# Altium PCB ESP32Oled.PcbDoc
Units mm, origin at the board's own origin, x right, y up, seen from the top; angles counter-clockwise.
Board outline 179.96 x 120.02 mm, 2 copper layers (Top Layer, Bottom Layer); 84 components, 51 nets, 298 pads, 0 vias.
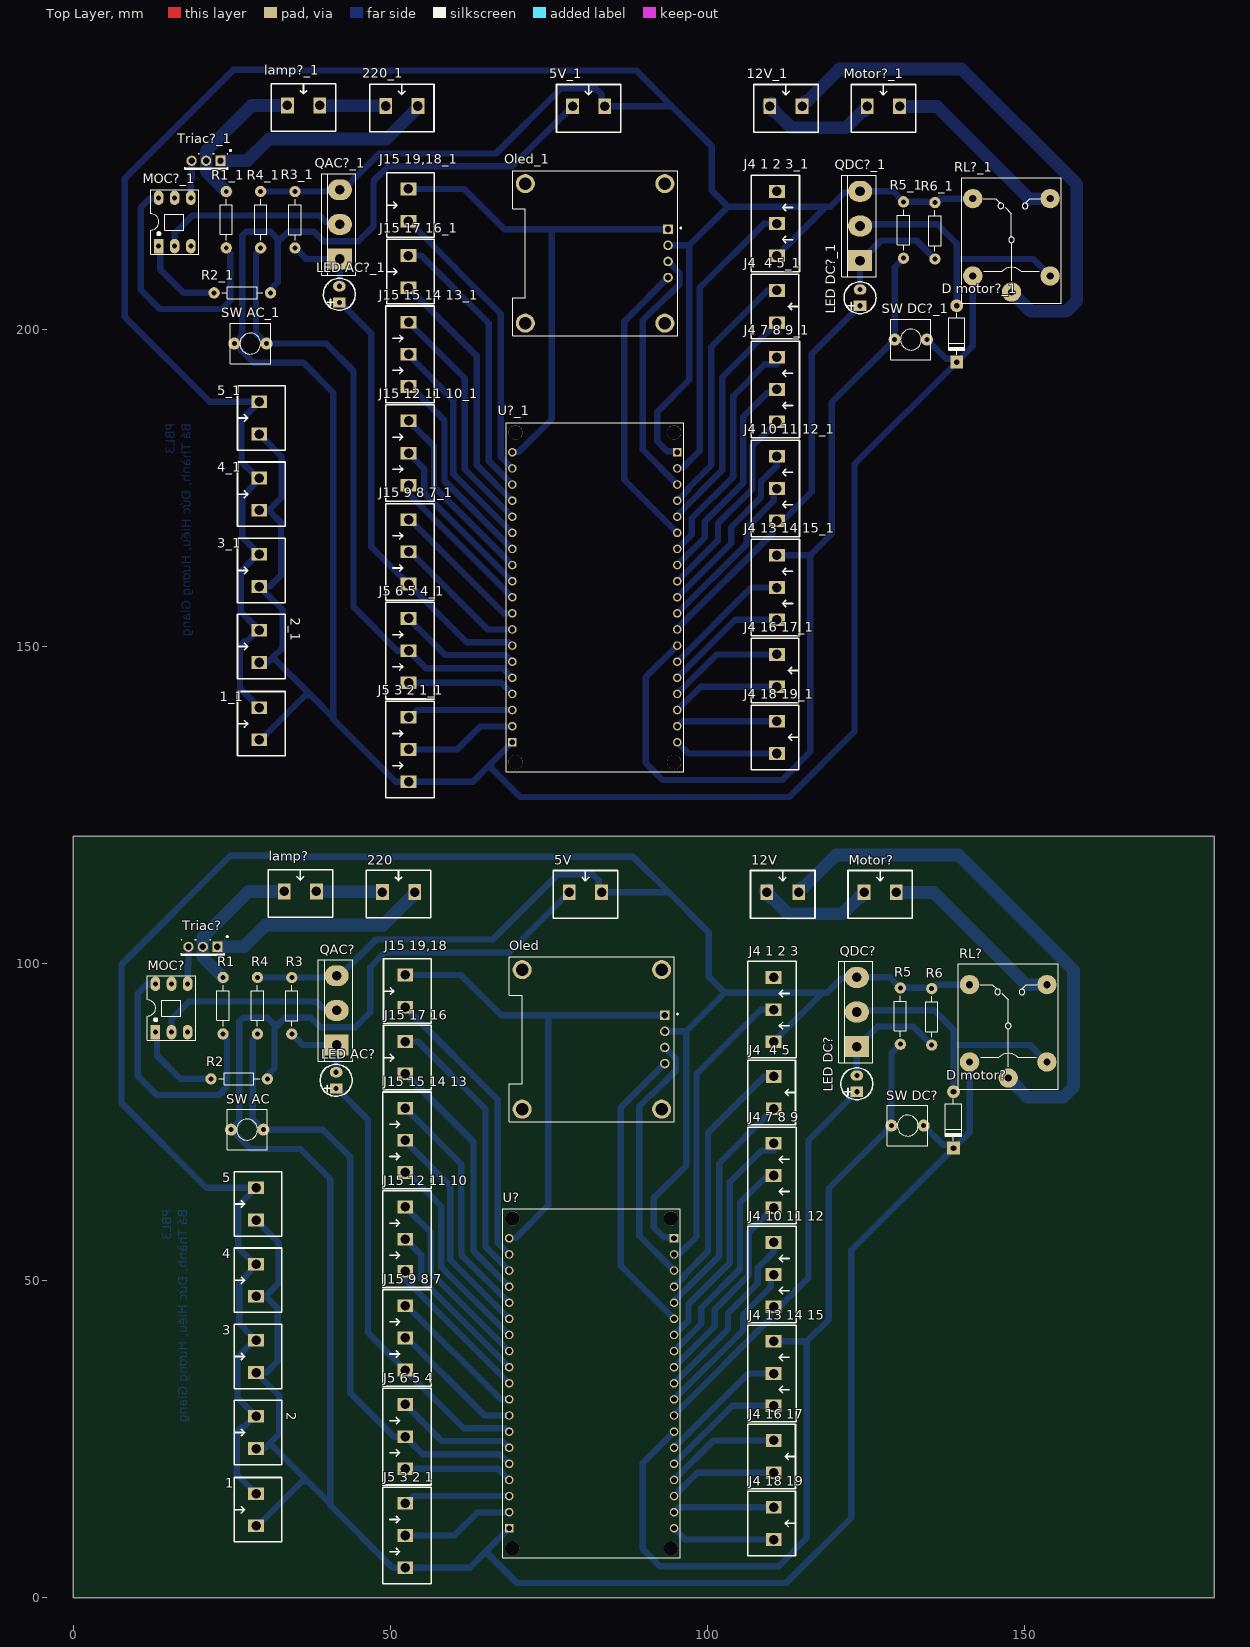
[diagram p0: Top Layer view]
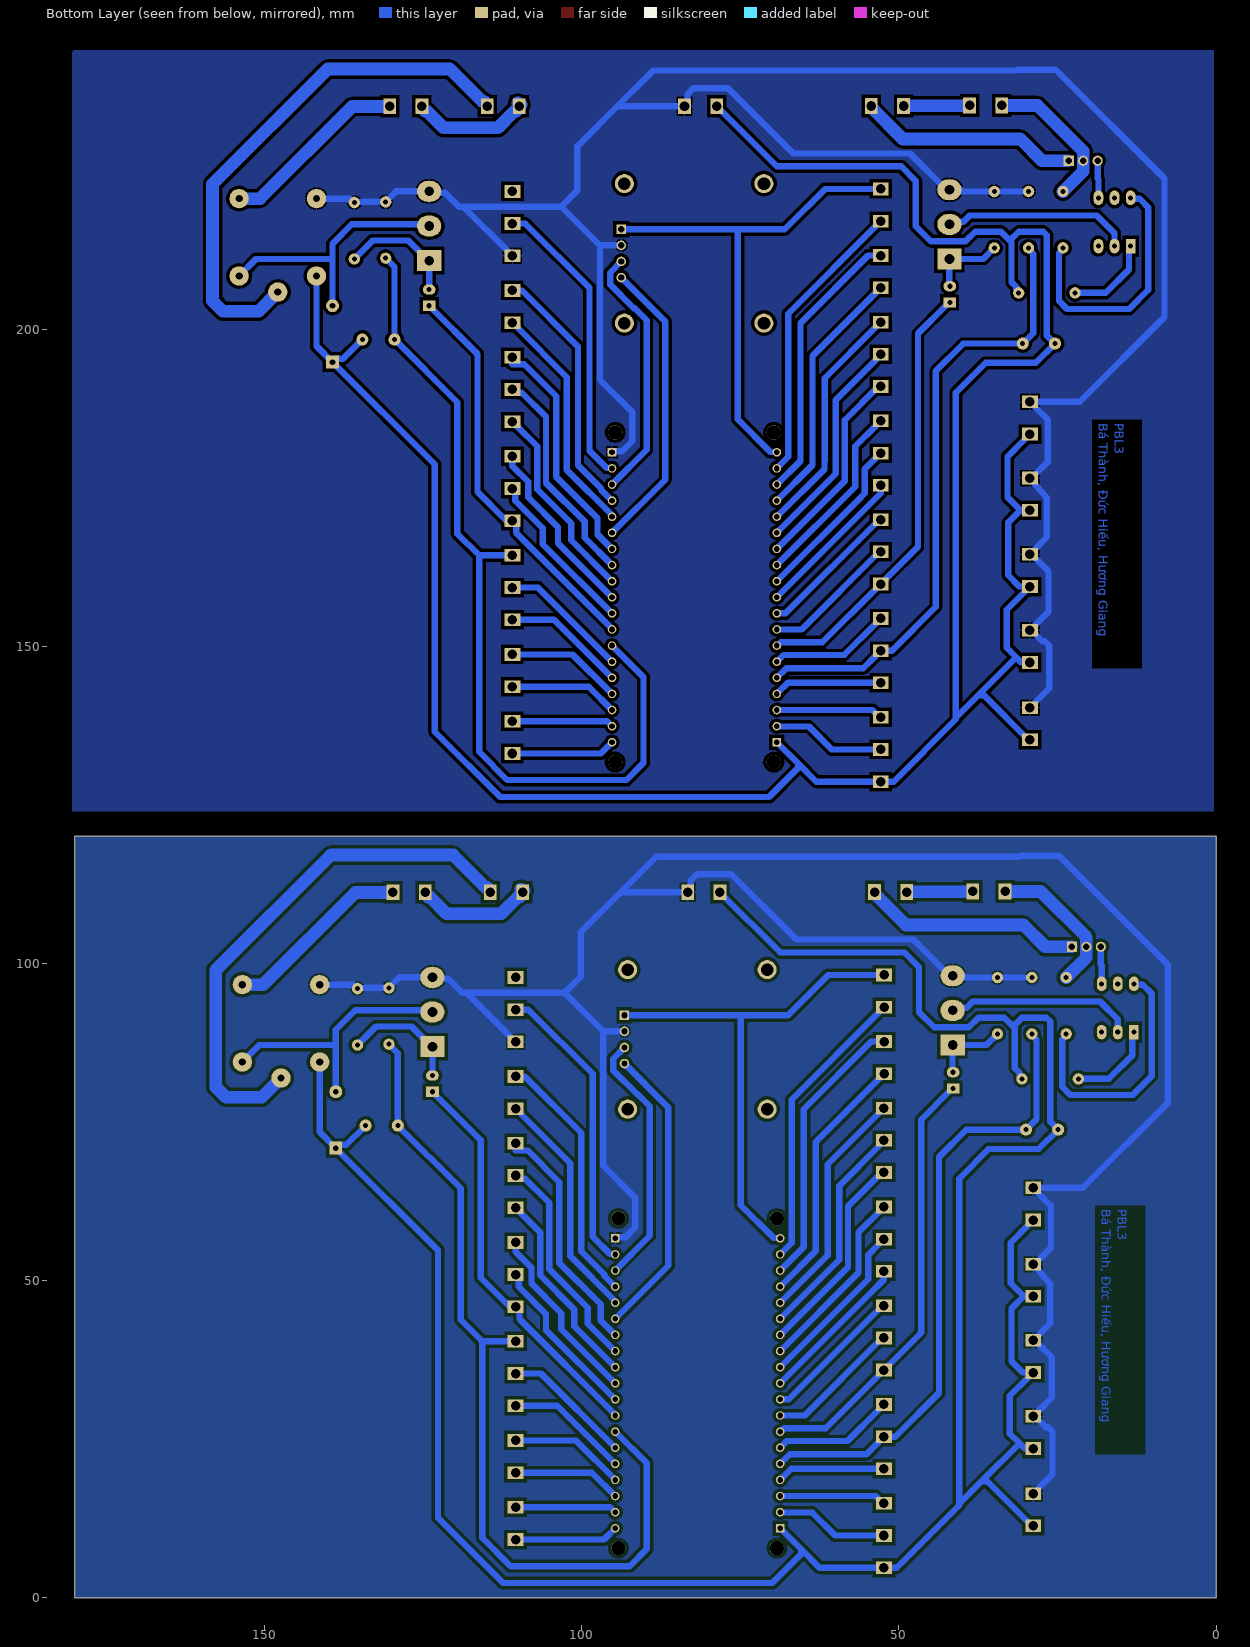
[diagram p1: Bottom Layer view, seen from below]

## Layer stack, top to bottom
Top Solder: solder mask 0.0102, Solder Resist, Dk 3.5
Top Layer: signal copper 0.0356
Dielectric 1: dielectric 0.32, FR-4, Dk 4.8
Bottom Layer: signal copper 0.0356
Bottom Solder: solder mask 0.0102, Solder Resist, Dk 3.5

## Board outline
0,0 179.959,0 179.959,120.015 0,120.015

## Design rules (kind name [scope] priority, off if disabled: settings)
Clearance [All] p1: gap=0.5 ignorepadtopadclearanceinfootprint=FALSE
PolygonConnect [All] p1: connectstyle=Relief reliefconductorwidth=0.254 reliefentries=4 polygonreliefangle="90 Angle" airgapwidth=0.254
RoutingLayers [All] p1: top layer_v5=FALSE bottom layer_v5=TRUE
RoutingVias [All] p1: holewidth=0.711 width=1.27 viastyle="Through Hole" minholewidth=0.711 minwidth=1.27 maxholewidth=0.711 maxwidth=1.27
SolderMaskExpansion [All] p1: expansion=0.102 istentingtop=FALSE
Width [All] p1: maxlimit=2 minlimit=0.254 preferedwidth=1
29 further rules are at their usual default settings.

## Classes and differential pairs
component class ESP32Oled: 1 2 3 4 5 5V 12V 220 "D motor?" "J4 1 2 3" "J4 7 8 9" "J4 10 11 12" "J4 13 14 15" "J4 16 17" "J4 18 19" "J4  4 5" "J5 3 2 1" "J5 6 5 4" "J15 9 8 7" "J15 12 11 10" "J15 15 14 13" "J15 17 16" "J15 19,18" lamp? "LED AC?" "LED DC?" MOC? Motor? Oled QAC? QDC? R1 R2 R3 R4 R5 R6 RL? "SW AC" "SW DC?" Triac? U?

## Components (designator, comment, footprint, x,y, rotation, side; value= is the part's Value field where it differs from the comment)
1 "" "Medium - Header 2" 28.829,13.843 r90 top
1_1 "" "Medium - Header 2" 29.337,137.795 r90 top (schematic designator 1)
2 "" "Medium - Header 2" 28.829,26.035 r90 top
2_1 "" "Medium - Header 2" 29.337,149.987 r90 top (schematic designator 2)
3 "" "Medium - Header 2" 28.829,38.015 r90 top
3_1 "" "Medium - Header 2" 29.337,161.967 r90 top (schematic designator 3)
4 "" "Medium - Header 2" 28.829,50.038 r90 top
4_1 "" "Medium - Header 2" 29.337,173.99 r90 top (schematic designator 4)
5 "" "Medium - Header 2" 28.829,62.061 r90 top
5_1 "" "Medium - Header 2" 29.337,186.013 r90 top (schematic designator 5)
5V "" "Medium - Header 2" 80.772,111.213 r0 top
5V_1 "" "Medium - Header 2" 81.28,235.165 r0 top (schematic designator 5V)
12V "" "Medium - Header 2" 111.887,111.213 r0 top (schematic designator 12v)
12V_1 "" "Medium - Header 2" 112.395,235.165 r0 top (schematic designator 12v)
220 "" "Medium - Header 2" 51.308,111.252 r0 top
220_1 "" "Medium - Header 2" 51.816,235.204 r0 top (schematic designator 220)
"D motor?" "1N4007" D1A 138.811,79.756 r90 top
"D motor?_1" "1N4007" D1A 139.319,203.708 r90 top (schematic designator "D motor?")
"J4 1 2 3" "Header 3 - M" "Medium - Header 3" 110.448,87.63 r90 top
"J4 1 2 3_1" "Header 3 - M" "Medium - Header 3" 110.956,211.582 r90 top (schematic designator "J4 1 2 3")
"J4 7 8 9" "Header 3 - M" "Medium - Header 3" 110.448,61.468 r90 top
"J4 7 8 9_1" "Header 3 - M" "Medium - Header 3" 110.956,185.42 r90 top (schematic designator "J4 7 8 9")
"J4 10 11 12" "Header 3 - M" "Medium - Header 3" 110.448,45.847 r90 top
"J4 10 11 12_1" "Header 3 - M" "Medium - Header 3" 110.956,169.799 r90 top (schematic designator "J4 10 11 12")
"J4 13 14 15" "Header 3 - M" "Medium - Header 3" 110.448,30.239 r90 top
"J4 13 14 15_1" "Header 3 - M" "Medium - Header 3" 110.956,154.191 r90 top (schematic designator "J4 13 14 15")
"J4 16 17" "" "Medium - Header 2" 110.46,22.225 r270 top
"J4 16 17_1" "" "Medium - Header 2" 110.968,146.177 r270 top (schematic designator "J4 16 17")
"J4 18 19" "" "Medium - Header 2" 110.46,11.684 r270 top
"J4 18 19_1" "" "Medium - Header 2" 110.968,135.636 r270 top (schematic designator "J4 18 19")
"J4  4 5" "" "Medium - Header 2" 110.46,79.629 r270 top
"J4  4 5_1" "" "Medium - Header 2" 110.968,203.581 r270 top (schematic designator "J4  4 5")
"J5 3 2 1" "Header 3 - M" "Medium - Header 3" 52.366,14.859 r270 top
"J5 3 2 1_1" "Header 3 - M" "Medium - Header 3" 52.874,138.811 r270 top (schematic designator "J5 3 2 1")
"J5 6 5 4" "Header 3 - M" "Medium - Header 3" 52.366,30.438 r270 top
"J5 6 5 4_1" "Header 3 - M" "Medium - Header 3" 52.874,154.39 r270 top (schematic designator "J5 6 5 4")
"J15 9 8 7" "Header 3 - M" "Medium - Header 3" 52.366,46.016 r270 top
"J15 9 8 7_1" "Header 3 - M" "Medium - Header 3" 52.874,169.968 r270 top (schematic designator "J15 9 8 7")
"J15 12 11 10" "Header 3 - M" "Medium - Header 3" 52.366,61.595 r270 top
"J15 12 11 10_1" "Header 3 - M" "Medium - Header 3" 52.874,185.547 r270 top (schematic designator "J15 12 11 10")
"J15 15 14 13" "Header 3 - M" "Medium - Header 3" 52.366,77.174 r270 top
"J15 15 14 13_1" "Header 3 - M" "Medium - Header 3" 52.874,201.126 r270 top (schematic designator "J15 15 14 13")
"J15 17 16" "" "Medium - Header 2" 52.354,85.132 r90 top
"J15 17 16_1" "" "Medium - Header 2" 52.862,209.084 r90 top (schematic designator "J15 17 16")
"J15 19,18" "" "Medium - Header 2" 52.354,95.631 r90 top
"J15 19,18_1" "" "Medium - Header 2" 52.862,219.583 r90 top (schematic designator "J15 19,18")
lamp? "" "Medium - Header 2" 35.814,111.34 r0 top
lamp?_1 "" "Medium - Header 2" 36.322,235.292 r0 top (schematic designator lamp?)
"LED AC?" "" LED3mm 41.463,81.559 r90 top
"LED AC?_1" "" LED3mm 41.971,205.511 r90 top (schematic designator "LED AC?")
"LED DC?" "" LED3mm 123.571,81.026 r90 top
"LED DC?_1" "" LED3mm 124.079,204.978 r90 top (schematic designator "LED DC?")
MOC? "MOC3021" DIP6 12.954,89.154 r0 top
MOC?_1 "MOC3021" DIP6 13.462,213.106 r0 top (schematic designator MOC?)
Motor? "" "Medium - Header 2" 127.254,111.213 r0 top
Motor?_1 "" "Medium - Header 2" 127.762,235.165 r0 top (schematic designator Motor?)
Oled "DM-OLED096-636" MODULE_DM-OLED096-636 81.788,88.011 r270 top
Oled_1 "DM-OLED096-636" MODULE_DM-OLED096-636 82.296,211.963 r270 top (schematic designator Oled)
QAC? "D718" QTO-247 41.529,87.122 r90 top
QAC?_1 "D718" QTO-247 42.037,211.074 r90 top (schematic designator QAC?)
QDC? "D718" QTO-247 123.571,86.868 r90 top
QDC?_1 "D718" QTO-247 124.079,210.82 r90 top (schematic designator QDC?)
R1 "510" R1/4W 23.622,88.887 r90 top value="R1/4W - 1K"
R1_1 "510" R1/4W 24.13,212.839 r90 top value="R1/4W - 1K" (schematic designator R1)
R2 "220" R1/4W 30.607,81.788 r180 top value="R1/4W - 1K"
R2_1 "220" R1/4W 31.115,205.74 r180 top value="R1/4W - 1K" (schematic designator R2)
R3 "5K" R1/4W 34.464,97.762 r270 top value="R1/4W - 1K"
R3_1 "5K" R1/4W 34.972,221.714 r270 top value="R1/4W - 1K" (schematic designator R3)
R4 "5K" R1/4W 29.049,88.887 r90 top value="R1/4W - 1K"
R4_1 "5K" R1/4W 29.557,212.839 r90 top value="R1/4W - 1K" (schematic designator R4)
R5 "5K" R1/4W 130.429,87.249 r90 top value="R1/4W - 1K"
R5_1 "5K" R1/4W 130.937,211.201 r90 top value="R1/4W - 1K" (schematic designator R5)
R6 "5K" R1/4W 135.382,87.122 r90 top value="R1/4W - 1K"
R6_1 "5K" R1/4W 135.89,211.074 r90 top value="R1/4W - 1K" (schematic designator R6)
RL? "Relay 10A/12V" "RELAY 5" 147.447,90.17 r90 top value="Relay SPDT, 10A, 12V"
RL?_1 "Relay 10A/12V" "RELAY 5" 147.955,214.122 r90 top value="Relay SPDT, 10A, 12V" (schematic designator RL?)
"SW AC" "SW" SW2 24.892,73.787 r0 top value="SW chip 2 pin"
"SW AC_1" "SW" SW2 25.4,197.739 r0 top value="SW chip 2 pin" (schematic designator "SW AC")
"SW DC?" "SW" SW2 134.112,74.422 r180 top value="SW chip 2 pin"
"SW DC?_1" "SW" SW2 134.62,198.374 r180 top value="SW chip 2 pin" (schematic designator "SW DC?")
Triac? "Triac" 369-03 20.447,102.616 r180 top
Triac?_1 "Triac" 369-03 20.955,226.568 r180 top (schematic designator Triac?)
U? "ESP32_NODEMCU" MODULE_ESP32_NODEMCU 81.742,33.782 r0 top
U?_1 "ESP32_NODEMCU" MODULE_ESP32_NODEMCU 82.25,157.734 r0 top (schematic designator U?)

## Footprints (in the part's own frame and the unit in brackets; to place one, negate y for a bottom-side part, rotate by r counter-clockwise, add the part's x,y. Pads: shape width x height; smd on the part's side, far side on the other; paste and mask are expansions set on the pad)
369-03 [mm] "TO, Thru-Hole, Vertical, Heatsink Mounted; 3 In-Line Leads; Pitch 2.28 mm"
  rect 1.6x1.6 hole 1: 1(-2.28,0)
  round 1.6 hole 1: 2(0,0) 3(2.28,0)
  silkscreen extent -3.98,-1.72 3.4,1.3, body extent -3.45,-1.15 3.45,1.35, height 9.7
D1A [mil] "Diode 1A, W 100mil, L 350mil"
  round 80 hole 35: 1(0,0)
  rect 80x80 hole 35: 2(-350,0)
  silkscreen extent -305,-50 -45,50, body extent -386,-33 34,36, height 84
DIP6 [mil] "6 PIN, W 300mil, Pin to pin 100mil"
  rect 60x90 hole 31.5: 1(0,0)
  oval 60x90 hole 31.5: 2(100,0) 3(200,0) 4(200,300) 5(100,300) 6(0,300)
  silkscreen extent -50,-50 250,350, body extent -58,-7 260,307, height 170
LED3mm [mm]
  rect 1.6x2 hole 0.8: 1(-1.27,0)
  oval 1.6x2 hole 0.8: 2(1.27,0)
  silkscreen extent -2.52,-2.51 2.51,2.52, body extent -1.99,-1.5 1.99,1.99, height 5.38
"Medium - Header 2" [mm]
  rect 2x2.5 hole 1.5: 1(-2.54,0) 2(2.54,0)
  silkscreen extent -5.08,-4.08 5.08,3.43, body extent -5,-4.07 5,3.43, height 10
"Medium - Header 3" [mm]
  rect 2x2.5 hole 1.5: 1(0,0) 2(5.08,0) 3(10.147,0)
  silkscreen extent -2.54,-3.58 12.7,4.06, body extent -2.42,-3.51 12.58,3.99, height 10
MODULE_DM-OLED096-636 [mm]
  rect 1.508x1.508 / inner round 1.508 / far side rect 1.508x1.508 hole 1: 1(-3.81,11.5)
  round 1.508 hole 1: 2(-1.27,11.5) 3(1.27,11.5) 4(3.81,11.5)
  round 3 hole 2: S1(-11,11) S2(11,11) S3(11,-11) S4(-11,-11)
  silkscreen extent -13,-13 13,13.6, body extent -13,-13 13,13, height 5.66
MODULE_ESP32_NODEMCU [mm]
  rect 1.35x1.35 / inner round 1.35 / far side rect 1.35x1.35 hole 0.9: J4_1(13,22.86) J5_1(-13,-22.86)
  round 1.35 hole 0.9: J4_2(13,20.32) J4_3(13,17.78) J4_4(13,15.24) J4_5(13,12.7) J4_6(13,10.16) J4_7(13,7.62) J4_8(13,5.08) J4_9(13,2.54) J4_10(13,0) J4_11(13,-2.54) J4_12(13,-5.08) J4_13(13,-7.62) J4_14(13,-10.16) J4_15(13,-12.7) J4_16(13,-15.24) J4_17(13,-17.78) J4_18(13,-20.32) J4_19(13,-22.86) J5_2(-13,-20.32) J5_3(-13,-17.78) J5_4(-13,-15.24) J5_5(-13,-12.7) J5_6(-13,-10.16) J5_7(-13,-7.62) J5_8(-13,-5.08) J5_9(-13,-2.54) J5_10(-13,0) J5_11(-13,2.54) J5_12(-13,5.08) J5_13(-13,7.62) J5_14(-13,10.16) J5_15(-13,12.7) J5_16(-13,15.24) J5_17(-13,17.78) J5_18(-13,20.32) J5_19(-13,22.86)
  round 2.25 hole 2.25 unplated: ""(-12.5,-26) ""(-12.5,26) ""(12.5,-26) ""(12.5,26)
  silkscreen extent -14,-27.5 14,27.5, body extent -14.25,-28.15 14.25,27.5, height 7.05
QTO-247 [mil] "TO-247"
  rect 130x150 hole 60: 1(0,0)
  oval 130x150 hole 60: 2(215,0) 3(430,0)
  silkscreen extent -100,-100 530,113, body extent -89,-78 511,102, height 941
R1/4W [mil] "R 1/4W, 2 Pin, 350mil"
  round 70 hole 31: 1(0,0) 2(350,0)
  silkscreen extent 48,-38 302,38, body extent -40,-47 386,47, height 111
"RELAY 5" [mil] "Reley DPDT, 8 pin, 1A, W400mil, L800mil,H 300mil"
  round 120 hole 45: 1(-325,0) 2(255,240) 3(255,-240) 4(-225,-240) 5(-225,240)
  silkscreen extent -395,-310 385,310, body extent -371,-304 381,306, height 602
SW2 [mil] "SW button 2pin, 250x 250 mil"
  round 75 hole 31: 1(0,0) 2(200,0)
  silkscreen extent -25,-125 225,125

## Part data
1 1_1 2 2_1 3 3_1 4 4_1 5 5_1 5V 5V_1 12V 12V_1 220 220_1 "J4 16 17" "J4 16 17_1" "J4 18 19" "J4 18 19_1" "J4  4 5" "J4  4 5_1" "J15 17 16" "J15 17 16_1" "J15 19,18" "J15 19,18_1" lamp? lamp?_1 Motor? Motor?_1: library part "Header 2 - M", "Header, 2-Pin, Medium", LatestRevisionDate=17-Jul-2002, LatestRevisionNote="Re-released for DXP Platform.", Publisher="Altium Limited"
"D motor?" "D motor?_1": library part D1A, "Diode 1A"
"J4 1 2 3" "J4 1 2 3_1" "J4 7 8 9" "J4 7 8 9_1" "J4 10 11 12" "J4 10 11 12_1" "J4 13 14 15" "J4 13 14 15_1" "J5 3 2 1" "J5 3 2 1_1" "J5 6 5 4" "J5 6 5 4_1" "J15 9 8 7" "J15 9 8 7_1" "J15 12 11 10" "J15 12 11 10_1" "J15 15 14 13" "J15 15 14 13_1": "Header, 3-Pin, Medium", LatestRevisionDate=17-Jul-2002, LatestRevisionNote="Re-released for DXP Platform.", Publisher="Altium Limited"
"LED AC?" "LED AC?_1" "LED DC?" "LED DC?_1": library part "LED 3mm", "LED 3mm"
MOC? MOC?_1: "Single Opto"
Oled Oled_1: "0.96â€ 128 X 64 MONOCHROME GRAPHIC OLED DISPLAY MODULE - I2C", Package=Package, Check_prices=https://www.snapeda.com/parts/DM-OLED096-636/Display+Module/view-part/?ref=eda, MF="Display Module", MP=DM-OLED096-636, SnapEDA_Link=https://www.snapeda.com/parts/DM-OLED096-636/Display+Module/view-part/?ref=snap
QAC? QAC?_1 QDC? QDC?_1: "Transistor Power Supply"
R1 R1_1 R2 R2_1 R3 R3_1 R4 R4_1 R5 R5_1 R6 R6_1: library part R1/4W, "Resistor 1/4W"
RL? RL?_1: library part "Relay 5", "Relay SPDT,10A - 12VDC 5 Pin"
"SW AC" "SW AC_1" "SW DC?" "SW DC?_1": library part SW2, "Switch button 2 pin"
Triac? Triac?_1: "Silicon Bidirectional Triode Thyristor", ComponentLink1Description="Manufacturer Link", ComponentLink1URL=http://www.motorola.com/, DatasheetVersion=1999, LatestRevisionDate=17-Jul-2002, LatestRevisionNote="Re-released for DXP Platform.", Note="Pin 2 is electrically connected to Pin 4 (TAB)", PackageDescription="TO, Thru-Hole, Vertical, Heatsink Mounted; 3 In-Line Leads; Pitch 2.28 mm", PackageReference=369-03, Published=29-Sep-2000, Publisher="Altium Limited"
U? U?_1: "NodeMCU is an open source loT platform. ESP32 is a series of low cost, low powersystem-on-chip (SoC) microcontrollers with integrated Wi-Fi & dual-mode Bluetooth.", Package=Package, Check_prices=https://www.snapeda.com/parts/ESP32%20NODEMCU/Espressif+Systems/view-part/?ref=eda, MF="Espressif Systems", MP="ESP32 NODEMCU", SnapEDA_Link=https://www.snapeda.com/parts/ESP32%20NODEMCU/Espressif+Systems/view-part/?ref=snap

## Nets (pads, with @x,y where several pads share a name; then routed paths per layer and width w, separated by ;. In a path a pad name is that pad's centre, name@x,y a point inside that pad or via, vN(x,y) a via of type N, cw(c..) or ccw(c..) an arc to the next point about the centre after c; other vN are vias at no path point)
GND: 1.2 2.2 3.2 4.2 5.2 5V.2 "J4 1 2 3.1" Oled.2 QAC?.3 QDC?.3 R3.1 R4.2 R5.2 R6.2 RL?.2 U?.J4_1 | length 395.8
  Bottom Layer w1: 1.2 28.579,16.383 28.079,16.883 28.079,17.133 25.781,19.431 25.781,26.162 26.488,26.869 26.873,26.869 2.2@28.579,28.575 ; 2.2 2.2@28.579,28.575 ; 3.2 3.2@28.579,40.555 ; 5.2 5.2@28.579,64.601 ; R4.2 31.725,97.777 31.74,97.762 R3.1 39.665,97.762 39.849,97.946 39.751,98.044 42.037,98.044 47.752,103.759 66.167,103.759 76.454,114.046 81.915,114.046 82.844,113.117 82.844,111.681 5V.2 93.892,111.213 ; 30.734,116.967 24.765,116.967 7.62,99.822 7.62,77.978 20.997,64.601 28.079,64.601 5.2@28.579,64.601 ; 31.115,116.84 88.265,116.84 93.892,111.213 ; Oled.2 96.647,89.281 ; U?.J4_1 94.567,56.817 93.121,56.817 91.567,58.371 91.567,62.992 96.647,68.072 96.647,89.281 ; 110.448,87.63 110.698,87.63 111.198,88.13 111.198,88.38 118.195,95.377 ; RL?.2 136.017,96.647 R6.2 134.137,96.139 R5.2 128.778,97.79 QDC?.3 123.359,97.578 121.073,97.578 118.872,95.377 118.195,95.377 ; 2.2@28.579,28.575 28.079,29.075 28.079,29.325 25.908,31.496 25.908,37.884 28.079,40.055 3.2@28.579,40.555 ; 3.2@28.579,40.555 28.079,41.055 28.079,41.305 26.162,43.222 26.162,49.448 28.403,52.077 4.2 28.579,52.578 28.079,53.078 26.035,55.122 26.035,61.807 28.079,63.851 28.079,64.101 5.2@28.579,64.601 ; 93.892,111.213 99.838,105.267 100.203,104.902 100.203,97.917 102.743,95.377 ; 96.647,89.281 102.743,95.377 ; 102.743,95.377 118.195,95.377
Net1_1: 1.1 2.1 3.1 4.1 5.1 5V.1 "D motor?.2" "J5 3 2 1.3" "SW AC.1" "SW DC?.1" R2.1 RL?.5 U?.J5_1 | length 420.1
  Bottom Layer w1: 1.1 29.079,11.303 36.087,18.311 36.98,18.311 ; 2.1 30.158,23.495 30.977,24.314 ; 3.1 3.1@29.079,35.475 ; 4.1 30.328,47.498 ; 5.1 29.079,59.521 29.579,59.021 29.579,58.771 32.385,55.965 32.385,49.555 30.328,47.498 ; 30.438,35.475 3.1@29.079,35.475 ; 30.497,35.475 32.258,37.236 32.258,45.568 30.328,47.498 ; R2.1 30.607,81.999 30.996,82.388 30.996,82.727 31.75,83.481 31.75,89.789 32.004,90.043 ; U?.J5_1 65.405,7.585 ; 5V.1 68.746,101.727 49.149,101.727 46.838,99.416 46.838,92.304 44.45,89.916 38.989,89.916 37.465,91.44 33.401,91.44 32.004,90.043 ; 134.112,74.422 137.163,71.371 138.306,71.371 138.811,70.866 ; RL?.5 141.351,73.406 138.811,70.866 ; 3.1@29.079,35.475 29.579,34.975 29.579,34.725 32.512,31.792 32.512,25.849 30.977,24.314 ; 30.977,24.314 36.98,18.311 ; 32.004,90.043 30.607,91.44 26.748,91.44 26.162,90.854 26.162,75.057 24.892,73.787 27.94,70.739 35.814,70.739 40.513,66.04 40.513,14.779 ; 36.98,18.311 40.513,14.779 ; 40.513,14.779 40.513,14.541 50.343,4.712 52.366,4.712 62.532,4.712 65.405,7.585 ; 65.405,7.585 65.405,6.858 69.977,2.286 112.395,2.286 122.682,12.573 122.682,54.737 138.811,70.866
Net12v_1: 12V.1 Motor?.1 | length 19.7
  Bottom Layer w2: 12V.1@109.347,110.963 109.847,110.463 110.097,110.463 112.737,107.823 121.324,107.823 123.964,110.463 124.214,110.463 124.714,110.963 Motor?.1 ; 12V.1@109.097,111.463 12V.1 109.347,111.463 109.597,111.713 12V.1@109.097,111.463
Net12v_2: 12V.2 RL?.1 | length 84.1
  Bottom Layer w2: 12V.2 114.427,111.463 114.927,111.963 115.177,111.963 120.308,117.094 139.573,117.094 157.734,98.933 157.734,92.329 157.734,80.518 156.083,78.867 150.495,78.867 RL?.1
Net220_1: 220.1 lamp?.2 | length 10.5
  Bottom Layer w1: lamp?.2@38.393,111.379 lamp?.2 lamp?.2@38.398,111.296 ; 220.1@48.724,111.296 220.1
  Bottom Layer w2: lamp?.2@38.398,111.296 220.1@48.724,111.296
Net220_2: 220.2 Triac?.1 | length 34.7
  Bottom Layer w2: Triac?.1@22.86,102.616 26.924,102.616 30.353,106.045 48.895,106.045 53.848,110.998 220.2
"NetD motor?_1": "D motor?.1" QDC?.2 RL?.4 | length 41.9
  Bottom Layer w1: QDC?.2@123.825,92.583 135.763,92.583 138.811,89.535 138.811,87.122 ; 138.811,79.756 138.811,87.122 ; RL?.4 150.876,87.122 138.811,87.122
"NetJ4 1 2 3_2": "J4 1 2 3.2" U?.J4_2 | length 46.7
  Bottom Layer w1: U?.J4_2 94.809,54.169 95.571,54.169 98.298,56.896 98.298,82.575 108.433,92.71 110.448,92.71
"NetJ4 7 8 9_1": "J4 7 8 9.1" U?.J4_9 | length 31.8
  Bottom Layer w1: U?.J4_9 101.179,42.759 101.179,45.426 106.55,50.797 106.55,57.57 109.698,60.718 109.698,60.968 110.198,61.468 110.448,61.468
"NetJ4 7 8 9_2": "J4 7 8 9.2" U?.J4_8 | length 34.8
  Bottom Layer w1: U?.J4_8 99.06,43.18 99.06,45.72 105.15,51.81 105.15,62.224 108.974,66.048 109.948,66.048 110.448,66.548
"NetJ4 7 8 9_3": "J4 7 8 9.3" U?.J4_7 | length 37.8
  Bottom Layer w1: U?.J4_7 97.028,43.688 97.028,46.228 103.551,52.751 103.551,65.487 108.566,70.502 110.448,70.502 110.448,71.615
"NetJ4 10 11 12_1": "J4 10 11 12.1" "LED DC?.1" U?.J4_12 | length 62.7
  Bottom Layer w1: U?.J4_12 94.742,28.797 94.917,28.972 94.917,29.004 109.834,43.921 109.834,45.347 110.334,45.847 110.448,45.847 ; 111.393,45.847 115.951,50.405 115.951,72.136 123.571,79.756
"NetJ4 10 11 12_2": "J4 10 11 12.2" U?.J4_11 | length 26.2
  Bottom Layer w1: U?.J4_11 105.653,42.153 105.653,44.693 109.982,49.022 109.982,50.461 110.448,50.927
"NetJ4 10 11 12_3": "J4 10 11 12.3" U?.J4_10 | length 28.7
  Bottom Layer w1: U?.J4_10 103.251,42.291 103.251,44.831 107.95,49.53 107.95,51.985 110.448,54.483 110.448,55.994
"NetJ4 13 14 15_1": "J4 13 14 15.1" U?.J4_15 | length 19.5
  Bottom Layer w1: U?.J4_15 103.899,30.239 110.448,30.239
"NetJ4 13 14 15_2": "J4 13 14 15.2" U?.J4_14 | length 20.6
  Bottom Layer w1: U?.J4_14 106.439,35.319 110.448,35.319
"NetJ4 13 14 15_3": "J4 13 14 15.3" "SW DC?.2" R5.1 U?.J4_13 | length 138.7
  Bottom Layer w1: U?.J4_13 89.789,21.209 89.789,7.645 92.481,4.953 111.252,4.953 115.697,9.398 115.697,40.259 115.57,40.386 ; 110.448,40.386 115.697,40.386 119.126,43.815 119.126,64.516 129.032,74.422 129.032,85.852 R5.1
"NetJ4 16 17_1": "J4 16 17.1" U?.J4_16 | length 18.3
  Bottom Layer w1: U?.J4_16 100.965,24.765 110.46,24.765
"NetJ4 16 17_2": "J4 16 17.2" U?.J4_17 | length 17.2
  Bottom Layer w1: U?.J4_17 98.425,19.685 110.46,19.685
"NetJ4 18 19_1": "J4 18 19.1" U?.J4_18 | length 16
  Bottom Layer w1: U?.J4_18 95.504,14.224 110.46,14.224
"NetJ4 18 19_2": "J4 18 19.2" U?.J4_19 | length 16.5
  Bottom Layer w1: U?.J4_19 96.52,9.144 110.46,9.144
"NetJ4  4 5_1": "J4  4 5.1" U?.J4_4 | length 40.5
  Bottom Layer w1: U?.J4_4 96.484,50.764 96.484,50.959 100.101,54.577 100.101,73.279 108.991,82.169 110.46,82.169
"NetJ4  4 5_2": "J4  4 5.2" U?.J4_5 | length 37.3
  Bottom Layer w1: U?.J4_5 94.809,46.549 94.809,46.803 101.854,53.848 101.854,68.483 109.71,76.339 109.71,76.589 110.21,77.089 110.46,77.089
"NetJ5 3 2 1_1": "J5 3 2 1.1" U?.J5_3 | length 16.9
  Bottom Layer w1: 52.366,14.859 52.616,14.859 53.116,15.359 53.116,15.416 53.702,16.002 U?.J5_3
"NetJ5 3 2 1_2": "J5 3 2 1.2" U?.J5_2 | length 17.9
  Bottom Layer w1: 52.366,9.779 60.071,9.779 63.687,13.395 68.675,13.395 U?.J5_2
"NetJ5 6 5 4_1": "J5 6 5 4.1" U?.J5_6 | length 19.3
  Bottom Layer w1: 52.366,30.438 52.616,30.438 53.116,29.938 53.116,29.688 58.115,24.689 67.675,24.689 U?.J5_6
"NetJ5 6 5 4_2": "J5 6 5 4.2" "SW AC.2" R4.1 U?.J5_5 | length 98.6
  Bottom Layer w1: R4.1 29.049,88.677 28.321,87.949 28.321,75.438 29.972,73.787 39.37,73.787 43.688,69.469 43.688,32.258 50.588,25.358 52.616,25.358 53.116,24.858 53.116,24.608 55.118,22.606 67.218,22.606 U?.J5_5
"NetJ5 6 5 4_3": "J5 6 5 4.3" U?.J5_4 | length 17.1
  Bottom Layer w1: 52.366,20.29 66.994,20.29 U?.J5_4
"NetJ15 9 8 7_1": "J15 9 8 7.1" U?.J5_9 | length 22.5
  Bottom Layer w1: 52.366,46.016 52.616,46.016 67.391,31.242 U?.J5_9
"NetJ15 9 8 7_2": "J15 9 8 7.2" U?.J5_8 | length 21.4
  Bottom Layer w1: 52.366,40.936 52.616,40.936 64.851,28.702 U?.J5_8
"NetJ15 9 8 7_3": "J15 9 8 7.3" "LED AC?.1" U?.J5_7 | length 69.6
  Bottom Layer w1: 41.56,80.291 41.66,80.291 41.963,79.989 41.963,79.889 46.482,75.369 46.482,41.753 51.616,36.619 51.616,36.369 52.116,35.869 52.616,35.869 53.116,35.369 53.116,35.119 61.565,26.67 68.139,26.67 68.647,26.162 U?.J5_7
"NetJ15 12 11 10_1": "J15 12 11 10.1" U?.J5_12 | length 29.7
  Bottom Layer w1: 52.366,61.595 52.616,61.595 53.116,61.095 53.116,60.845 56.388,57.573 56.388,51.216 U?.J5_12
"NetJ15 12 11 10_2": "J15 12 11 10.2" U?.J5_11 | length 27.1
  Bottom Layer w1: 52.366,56.515 52.616,56.515 53.116,56.015 53.116,55.765 54.864,54.017 54.864,50.2 55.958,49.106 U?.J5_11
"NetJ15 12 11 10_3": "J15 12 11 10.3" U?.J5_10 | length 24.4
  Bottom Layer w1: 52.366,51.448 52.366,50.158 54.708,47.816 U?.J5_10
"NetJ15 15 14 13_1": "J15 15 14 13.1" U?.J5_15 | length 37.6
  Bottom Layer w1: 52.366,77.174 52.616,77.174 53.116,76.674 53.116,76.424 61.214,68.326 61.214,55.272 61.235,55.251 61.235,53.989 U?.J5_15
"NetJ15 15 14 13_2": "J15 15 14 13.2" U?.J5_14 | length 35.1
  Bottom Layer w1: 52.366,72.094 52.616,72.094 53.116,71.594 53.116,71.217 59.436,64.897 59.436,53.248 U?.J5_14
"NetJ15 15 14 13_3": "J15 15 14 13.3" U?.J5_13 | length 32.6
  Bottom Layer w1: 52.366,67.026 52.735,67.026 58.036,61.725 58.036,52.108 U?.J5_13
"NetJ15 17 16_1": "J15 17 16.1" U?.J5_16 | length 40.5
  Bottom Layer w1: 52.354,82.592 52.604,82.592 53.104,82.092 53.104,81.842 63.119,71.827 63.119,54.645 U?.J5_16
"NetJ15 17 16_2": "J15 17 16.2" U?.J5_17 | length 44.1
  Bottom Layer w1: 52.354,87.672 54.366,87.672 65.024,77.015 65.024,55.28 U?.J5_17
"NetJ15 19,18_1": "J15 19,18.1" U?.J5_18 | length 45.9
  Bottom Layer w1: 52.354,93.091 52.604,93.091 53.104,92.591 53.104,92.341 66.929,78.516 66.929,55.915 U?.J5_18
"NetJ15 19,18_2": "J15 19,18.2" Oled.1 U?.J5_19 | length 81.9
  Bottom Layer w1: 52.354,98.171 61.138,98.171 66.94,92.369 67.488,91.821 74.93,91.821 ; U?.J5_19 68.789,56.689 69.77,56.689 74.93,61.849 74.93,91.821 ; Oled.1 74.93,91.821
Netlamp?_1: lamp?.1 R1.2 Triac?.2 | length 23.5
  Bottom Layer w2: R1.2 20.447,100.952 Triac?.2 20.447,104.14 27.647,111.34 lamp?.1
"NetLED AC?_2": "LED AC?.2" QAC?.1 R3.2 | length 11.8
  Bottom Layer w1: R3.2 36.214,87.122 QAC?.1@41.148,87.122 ; 41.463,82.829 41.561,82.926 41.561,87.09 QAC?.1
"NetLED DC?_2": "LED DC?.2" QDC?.1 R6.1 | length 19.3
  Bottom Layer w1: 123.698,82.296 123.698,82.169 123.571,82.296 QDC?.1 123.825,86.868 124.976,88.019 124.976,88.146 126.873,90.043 132.461,90.043 R6.1
NetMOC?_1: MOC?.1 R2.2 | length 13.8
  Bottom Layer w1: MOC?.1 13.216,88.892 13.216,85.463 16.89,81.789 R2.2 R2.2
NetMOC?_2: MOC?.2 QAC?.2 | length 29.8
  Bottom Layer w1: MOC?.2 15.494,91.186 18.288,93.98 38.354,93.98 39.311,93.023 41.089,93.023 QAC?.2
NetMOC?_4: MOC?.4 Triac?.3 | length 5.9
  Bottom Layer w1: MOC?.4 18.034,99.695 18.167,99.828 Triac?.3
NetMOC?_6: MOC?.6 R1.1 | length 40.9
  Bottom Layer w1: MOC?.6 12.799,96.619 11.529,96.619 10.16,95.25 10.16,82.247 13.159,79.248 22.987,79.248 24.257,80.518 24.257,88.042 23.622,88.677 R1.1
NetMotor?_2: Motor?.2 RL?.3 | length 29.8
  Bottom Layer w2: Motor?.2@129.794,111.184 135.704,111.184 150.241,96.647 RL?.3
NetOled_3: Oled.3 U?.J4_3 | length 40.6
  Bottom Layer w1: Oled.3 95.047,84.982 95.047,83.109 91.295,79.357 91.168,79.357 89.281,77.47 89.281,57.023 U?.J4_3
NetOled_4: Oled.4 U?.J4_6 | length 46.6
  Bottom Layer w1: Oled.4 86.36,77.273 86.36,52.324 U?.J4_6
pads on no net: 1_1.1 1_1.2 2_1.1 2_1.2 3_1.1 3_1.2 4_1.1 4_1.2 5_1.1 5_1.2 5V_1.1 5V_1.2 12V_1.1 12V_1.2 220_1.1 220_1.2 "D motor?_1.1" "D motor?_1.2" "J4 1 2 3.3" "J4 1 2 3_1.1" "J4 1 2 3_1.2" "J4 1 2 3_1.3" "J4 7 8 9_1.1" "J4 7 8 9_1.2" "J4 7 8 9_1.3" "J4 10 11 12_1.1" "J4 10 11 12_1.2" "J4 10 11 12_1.3" "J4 13 14 15_1.1" "J4 13 14 15_1.2" "J4 13 14 15_1.3" "J4 16 17_1.1" "J4 16 17_1.2" "J4 18 19_1.1" "J4 18 19_1.2" "J4  4 5_1.1" "J4  4 5_1.2" "J5 3 2 1_1.1" "J5 3 2 1_1.2" "J5 3 2 1_1.3" "J5 6 5 4_1.1" "J5 6 5 4_1.2" "J5 6 5 4_1.3" "J15 9 8 7_1.1" "J15 9 8 7_1.2" "J15 9 8 7_1.3" "J15 12 11 10_1.1" "J15 12 11 10_1.2" "J15 12 11 10_1.3" "J15 15 14 13_1.1" "J15 15 14 13_1.2" "J15 15 14 13_1.3" "J15 17 16_1.1" "J15 17 16_1.2" "J15 19,18_1.1" "J15 19,18_1.2" "LED AC?_1.1" "LED AC?_1.2" "LED DC?_1.1" "LED DC?_1.2" "SW AC_1.1" "SW AC_1.2" "SW DC?_1.1" "SW DC?_1.2" lamp?_1.1 lamp?_1.2 MOC?.3 MOC?.5 MOC?_1.1 MOC?_1.2 MOC?_1.3 MOC?_1.4 MOC?_1.5 MOC?_1.6 Motor?_1.1 Motor?_1.2 Oled.S1 Oled.S2 Oled.S3 Oled.S4 Oled_1.1 Oled_1.2 Oled_1.3 Oled_1.4 Oled_1.S1 Oled_1.S2 Oled_1.S3 Oled_1.S4 QAC?_1.1 QAC?_1.2 QAC?_1.3 QDC?_1.1 QDC?_1.2 QDC?_1.3 R1_1.1 R1_1.2 R2_1.1 R2_1.2 R3_1.1 R3_1.2 R4_1.1 R4_1.2 R5_1.1 R5_1.2 R6_1.1 R6_1.2 RL?_1.1 RL?_1.2 RL?_1.3 RL?_1.4 RL?_1.5 Triac?_1.1 Triac?_1.2 Triac?_1.3 U?. U?_1. U?_1.J4_1 U?_1.J4_2 U?_1.J4_3 U?_1.J4_4 U?_1.J4_5 U?_1.J4_6 U?_1.J4_7 U?_1.J4_8 U?_1.J4_9 U?_1.J4_10 U?_1.J4_11 U?_1.J4_12 U?_1.J4_13 U?_1.J4_14 U?_1.J4_15 U?_1.J4_16 U?_1.J4_17 U?_1.J4_18 U?_1.J4_19 U?_1.J5_1 U?_1.J5_2 U?_1.J5_3 U?_1.J5_4 U?_1.J5_5 U?_1.J5_6 U?_1.J5_7 U?_1.J5_8 U?_1.J5_9 U?_1.J5_10 U?_1.J5_11 U?_1.J5_12 U?_1.J5_13 U?_1.J5_14 U?_1.J5_15 U?_1.J5_16 U?_1.J5_17 U?_1.J5_18 U?_1.J5_19
copper on no net: | length 2544.4
  Bottom Layer w1: 13.462,213.106 13.724,212.844 13.724,209.415 17.398,205.741 22.224,205.741 22.225,205.74 ; 13.462,220.726 13.307,220.571 12.037,220.571 10.668,219.202 10.668,206.199 13.667,203.2 23.495,203.2 24.765,204.47 24.765,211.994 24.13,212.629 24.13,212.839 ; 16.002,213.106 16.002,215.138 18.796,217.932 38.862,217.932 39.819,216.975 41.597,216.975 42.037,216.535 ; 18.542,220.726 18.542,223.647 18.675,223.78 18.675,226.568 ; 29.337,135.255 29.587,135.255 36.595,142.263 37.488,142.263 ; 29.337,140.335 29.087,140.335 28.587,140.835 28.587,141.085 26.289,143.383 26.289,150.114 26.996,150.821 27.381,150.821 29.087,152.527 ; 29.337,147.447 30.666,147.447 31.485,148.266 ; 29.337,152.527 29.087,152.527 ; 29.337,159.427 29.587,159.427 ; 29.337,164.507 29.087,164.507 ; 29.337,171.45 30.836,171.45 ; 29.337,183.473 29.587,183.473 30.087,182.973 30.087,182.723 32.893,179.917 32.893,173.507 30.836,171.45 ; 29.337,188.553 29.087,188.553 ; 29.557,212.839 29.557,212.629 28.829,211.901 28.829,199.39 30.48,197.739 39.878,197.739 44.196,193.421 44.196,156.21 51.096,149.31 53.124,149.31 53.624,148.81 53.624,148.56 55.626,146.558 67.726,146.558 69.25,145.034 ; 29.557,221.729 32.233,221.729 32.248,221.714 34.972,221.714 40.173,221.714 40.357,221.898 40.259,221.996 42.545,221.996 48.26,227.711 66.675,227.711 76.962,237.998 82.423,237.998 83.352,237.069 83.352,235.633 83.82,235.165 94.4,235.165 ; 30.946,159.427 29.587,159.427 ; 31.005,159.427 32.766,161.188 32.766,169.52 30.836,171.45 ; 31.115,205.74 31.115,205.951 31.504,206.34 31.504,206.679 32.258,207.433 32.258,213.741 32.512,213.995 ; 31.242,240.919 25.273,240.919 8.128,223.774 8.128,201.93 21.505,188.553 28.587,188.553 29.087,188.553 ; 31.623,240.792 88.773,240.792 94.4,235.165 ; 34.972,212.824 36.722,211.074 41.656,211.074 ; 38.901,235.331 38.862,235.292 38.906,235.248 ; 41.971,206.781 42.069,206.878 42.069,211.042 42.037,211.074 ; 42.068,204.243 42.168,204.243 42.471,203.941 42.471,203.841 46.99,199.321 46.99,165.705 52.124,160.571 52.124,160.321 52.624,159.821 53.124,159.821 53.624,159.321 53.624,159.071 62.073,150.622 68.647,150.622 69.155,150.114 69.25,150.114 ; 49.232,235.248 49.276,235.204 ; 52.862,206.544 53.112,206.544 53.612,206.044 53.612,205.794 63.627,195.779 63.627,178.597 69.25,172.974 ; 52.862,211.624 54.874,211.624 65.532,200.967 65.532,179.232 69.25,175.514 ; 52.862,217.043 53.112,217.043 53.612,216.543 53.612,216.293 67.437,202.468 67.437,179.867 69.25,178.054 ; 52.862,222.123 61.646,222.123 67.448,216.321 67.996,215.773 75.438,215.773 ; 52.874,133.731 60.579,133.731 64.195,137.347 69.183,137.347 69.25,137.414 ; 52.874,138.811 53.124,138.811 53.624,139.311 53.624,139.368 54.21,139.954 69.25,139.954 ; 52.874,144.242 67.502,144.242 69.25,142.494 ; 52.874,154.39 53.124,154.39 53.624,153.89 53.624,153.64 58.623,148.641 68.183,148.641 69.25,147.574 ; 52.874,164.888 53.124,164.888 65.359,152.654 69.25,152.654 ; 52.874,169.968 53.124,169.968 67.899,155.194 69.25,155.194 ; 52.874,175.4 52.874,174.11 55.216,171.768 69.25,157.734 ; 52.874,180.467 53.124,180.467 53.624,179.967 53.624,179.717 55.372,177.969 55.372,174.152 56.466,173.058 69.25,160.274 ; 52.874,185.547 53.124,185.547 53.624,185.047 53.624,184.797 56.896,181.525 56.896,175.168 69.25,162.814 ; 52.874,190.978 53.243,190.978 58.544,185.677 58.544,176.06 69.25,165.354 ; 52.874,196.046 53.124,196.046 53.624,195.546 53.624,195.169 59.944,188.849 59.944,177.2 69.25,167.894 ; 52.874,201.126 53.124,201.126 53.624,200.626 53.624,200.376 61.722,192.278 61.722,179.224 61.743,179.203 61.743,177.941 69.25,170.434 ; 69.25,134.874 65.913,131.537 ; 69.25,180.594 69.297,180.641 70.278,180.641 75.438,185.801 75.438,215.773 ; 78.74,235.165 69.254,225.679 49.657,225.679 47.346,223.368 47.346,216.256 44.958,213.868 39.497,213.868 37.973,215.392 33.909,215.392 32.512,213.995 ; 93.796,208.153 86.868,201.225 86.868,176.276 95.25,167.894 ; 93.796,210.693 95.555,208.934 95.555,207.061 91.803,203.309 91.676,203.309 89.789,201.422 89.789,180.975 95.25,175.514 ; 93.796,213.233 97.155,213.233 ; 93.796,215.773 75.438,215.773 ; 95.25,134.874 97.028,133.096 110.968,133.096 ; 95.25,137.414 96.012,138.176 110.968,138.176 ; 95.25,139.954 98.933,143.637 110.968,143.637 ; 95.25,142.494 101.473,148.717 110.968,148.717 ; 95.25,145.034 104.407,154.191 110.956,154.191 ; 95.25,147.574 106.947,159.271 110.956,159.271 ; 95.25,150.114 90.297,145.161 90.297,131.597 92.989,128.905 111.76,128.905 116.205,133.35 116.205,164.211 116.078,164.338 ; 95.25,152.654 95.25,152.749 95.425,152.924 95.425,152.956 110.342,167.873 110.342,169.299 110.842,169.799 110.956,169.799 ; 95.25,155.194 106.161,166.105 106.161,168.645 110.49,172.974 110.49,174.413 110.956,174.879 ; 95.25,157.734 103.759,166.243 103.759,168.783 108.458,173.482 108.458,175.937 110.956,178.435 110.956,179.946 ; 95.25,160.274 101.687,166.711 101.687,169.378 107.058,174.749 107.058,181.522 110.206,184.67 110.206,184.92 110.706,185.42 110.956,185.42 ; 95.25,162.814 99.568,167.132 99.568,169.672 105.658,175.762 105.658,186.176 109.482,190 110.456,190 110.956,190.5 ; 95.25,165.354 97.536,167.64 97.536,170.18 104.059,176.703 104.059,189.439 109.074,194.454 110.956,194.454 110.956,195.567 ; 95.25,170.434 95.317,170.501 95.317,170.755 102.362,177.8 102.362,192.435 110.218,200.291 110.218,200.541 110.718,201.041 110.968,201.041 ; 95.25,172.974 96.992,174.716 96.992,174.911 100.609,178.529 100.609,197.231 109.499,206.121 110.968,206.121 ; 95.25,178.054 95.317,178.121 96.079,178.121 98.806,180.848 98.806,206.527 108.941,216.662 110.956,216.662 ; 95.25,180.594 95.075,180.769 93.629,180.769 92.075,182.323 92.075,186.944 97.155,192.024 97.155,213.233 ; 110.956,164.338 116.205,164.338 119.634,167.767 119.634,188.468 129.54,198.374 129.54,209.804 130.937,211.201 ; 110.956,211.582 111.206,211.582 111.706,212.082 111.706,212.332 118.703,219.329 ; 111.901,169.799 116.459,174.357 116.459,196.088 124.079,203.708 ; 124.206,206.248 124.206,206.121 124.079,206.248 124.079,210.82 124.333,210.82 125.484,211.971 125.484,212.098 127.381,213.995 132.969,213.995 135.89,211.074 ; 124.333,216.535 136.271,216.535 139.319,213.487 139.319,211.074 ; 134.62,198.374 137.671,195.323 138.814,195.323 139.319,194.818 ; 139.319,203.708 139.319,211.074 ; 141.859,208.407 141.859,197.358 139.319,194.818 ; 141.859,220.599 136.525,220.599 135.89,219.964 134.645,220.091 130.937,220.091 129.286,221.742 124.079,221.742 123.867,221.53 121.581,221.53 119.38,219.329 118.703,219.329 ; 154.051,208.407 151.384,211.074 139.319,211.074 ; 29.087,152.527 28.587,153.027 28.587,153.277 26.416,155.448 26.416,161.836 28.587,164.007 29.087,164.507 ; 29.087,164.507 28.587,165.007 28.587,165.257 26.67,167.174 26.67,173.4 28.911,176.029 29.337,176.53 29.087,176.53 28.587,177.03 26.543,179.074 26.543,185.759 28.587,187.803 28.587,188.053 29.087,188.553 ; 29.587,159.427 30.087,158.927 30.087,158.677 33.02,155.744 33.02,149.801 31.485,148.266 ; 31.485,148.266 37.488,142.263 ; 32.512,213.995 31.115,215.392 27.256,215.392 26.67,214.806 26.67,199.009 25.4,197.739 28.448,194.691 36.322,194.691 41.021,189.992 41.021,138.731 ; 37.488,142.263 41.021,138.731 ; 41.021,138.731 41.021,138.493 50.851,128.664 52.874,128.664 63.04,128.664 65.913,131.537 ; 65.913,131.537 65.913,130.81 70.485,126.238 112.903,126.238 123.19,136.525 123.19,178.689 139.319,194.818 ; 94.4,235.165 100.346,229.219 100.711,228.854 100.711,221.869 103.251,219.329 ; 97.155,213.233 103.251,219.329 ; 103.251,219.329 118.703,219.329
  Bottom Layer w2: 23.368,226.568 27.432,226.568 30.861,229.997 49.403,229.997 54.356,234.95 54.356,235.204 ; 24.13,221.729 20.955,224.904 20.955,226.568 20.955,228.092 28.155,235.292 33.782,235.292 ; 38.906,235.248 49.232,235.248 ; 109.855,234.915 110.355,234.415 110.605,234.415 113.245,231.775 121.832,231.775 124.472,234.415 124.722,234.415 125.222,234.915 125.222,235.165 ; 114.935,235.165 114.935,235.415 115.435,235.915 115.685,235.915 120.816,241.046 140.081,241.046 158.242,222.885 158.242,216.281 158.242,204.47 156.591,202.819 151.003,202.819 147.955,205.867 ; 130.302,235.136 136.212,235.136 150.749,220.599 154.051,220.599 ; 109.605,235.415 110.105,235.665 109.855,235.415 109.855,235.165 109.605,235.415

## Polygon pours and split planes (outlines as drawn)
GND on Bottom Layer "GND_L02_P000" (solid, pour order 0): -0.127,120.015 179.578,120.015 179.832,119.761 179.832,0 0,0 -0.127,-0.127
no net on Bottom Layer "NONET_L02_P003" (solid, pour order 3): 0.381,243.967 180.086,243.967 180.34,243.713 180.34,123.952 0.508,123.952 0.381,123.825

## Other copper
Bottom Layer:
  text "PBL3 / Bá Thành, Đức Hiếu, Hương Giang" at 19.05,185.196 h2.5 r90
  text "PBL3 / Bá Thành, Đức Hiếu, Hương Giang" at 18.542,61.244 h2.5 r90